# Altium PCB MatrixRE.PcbDoc (part 1 of 3) (continued)
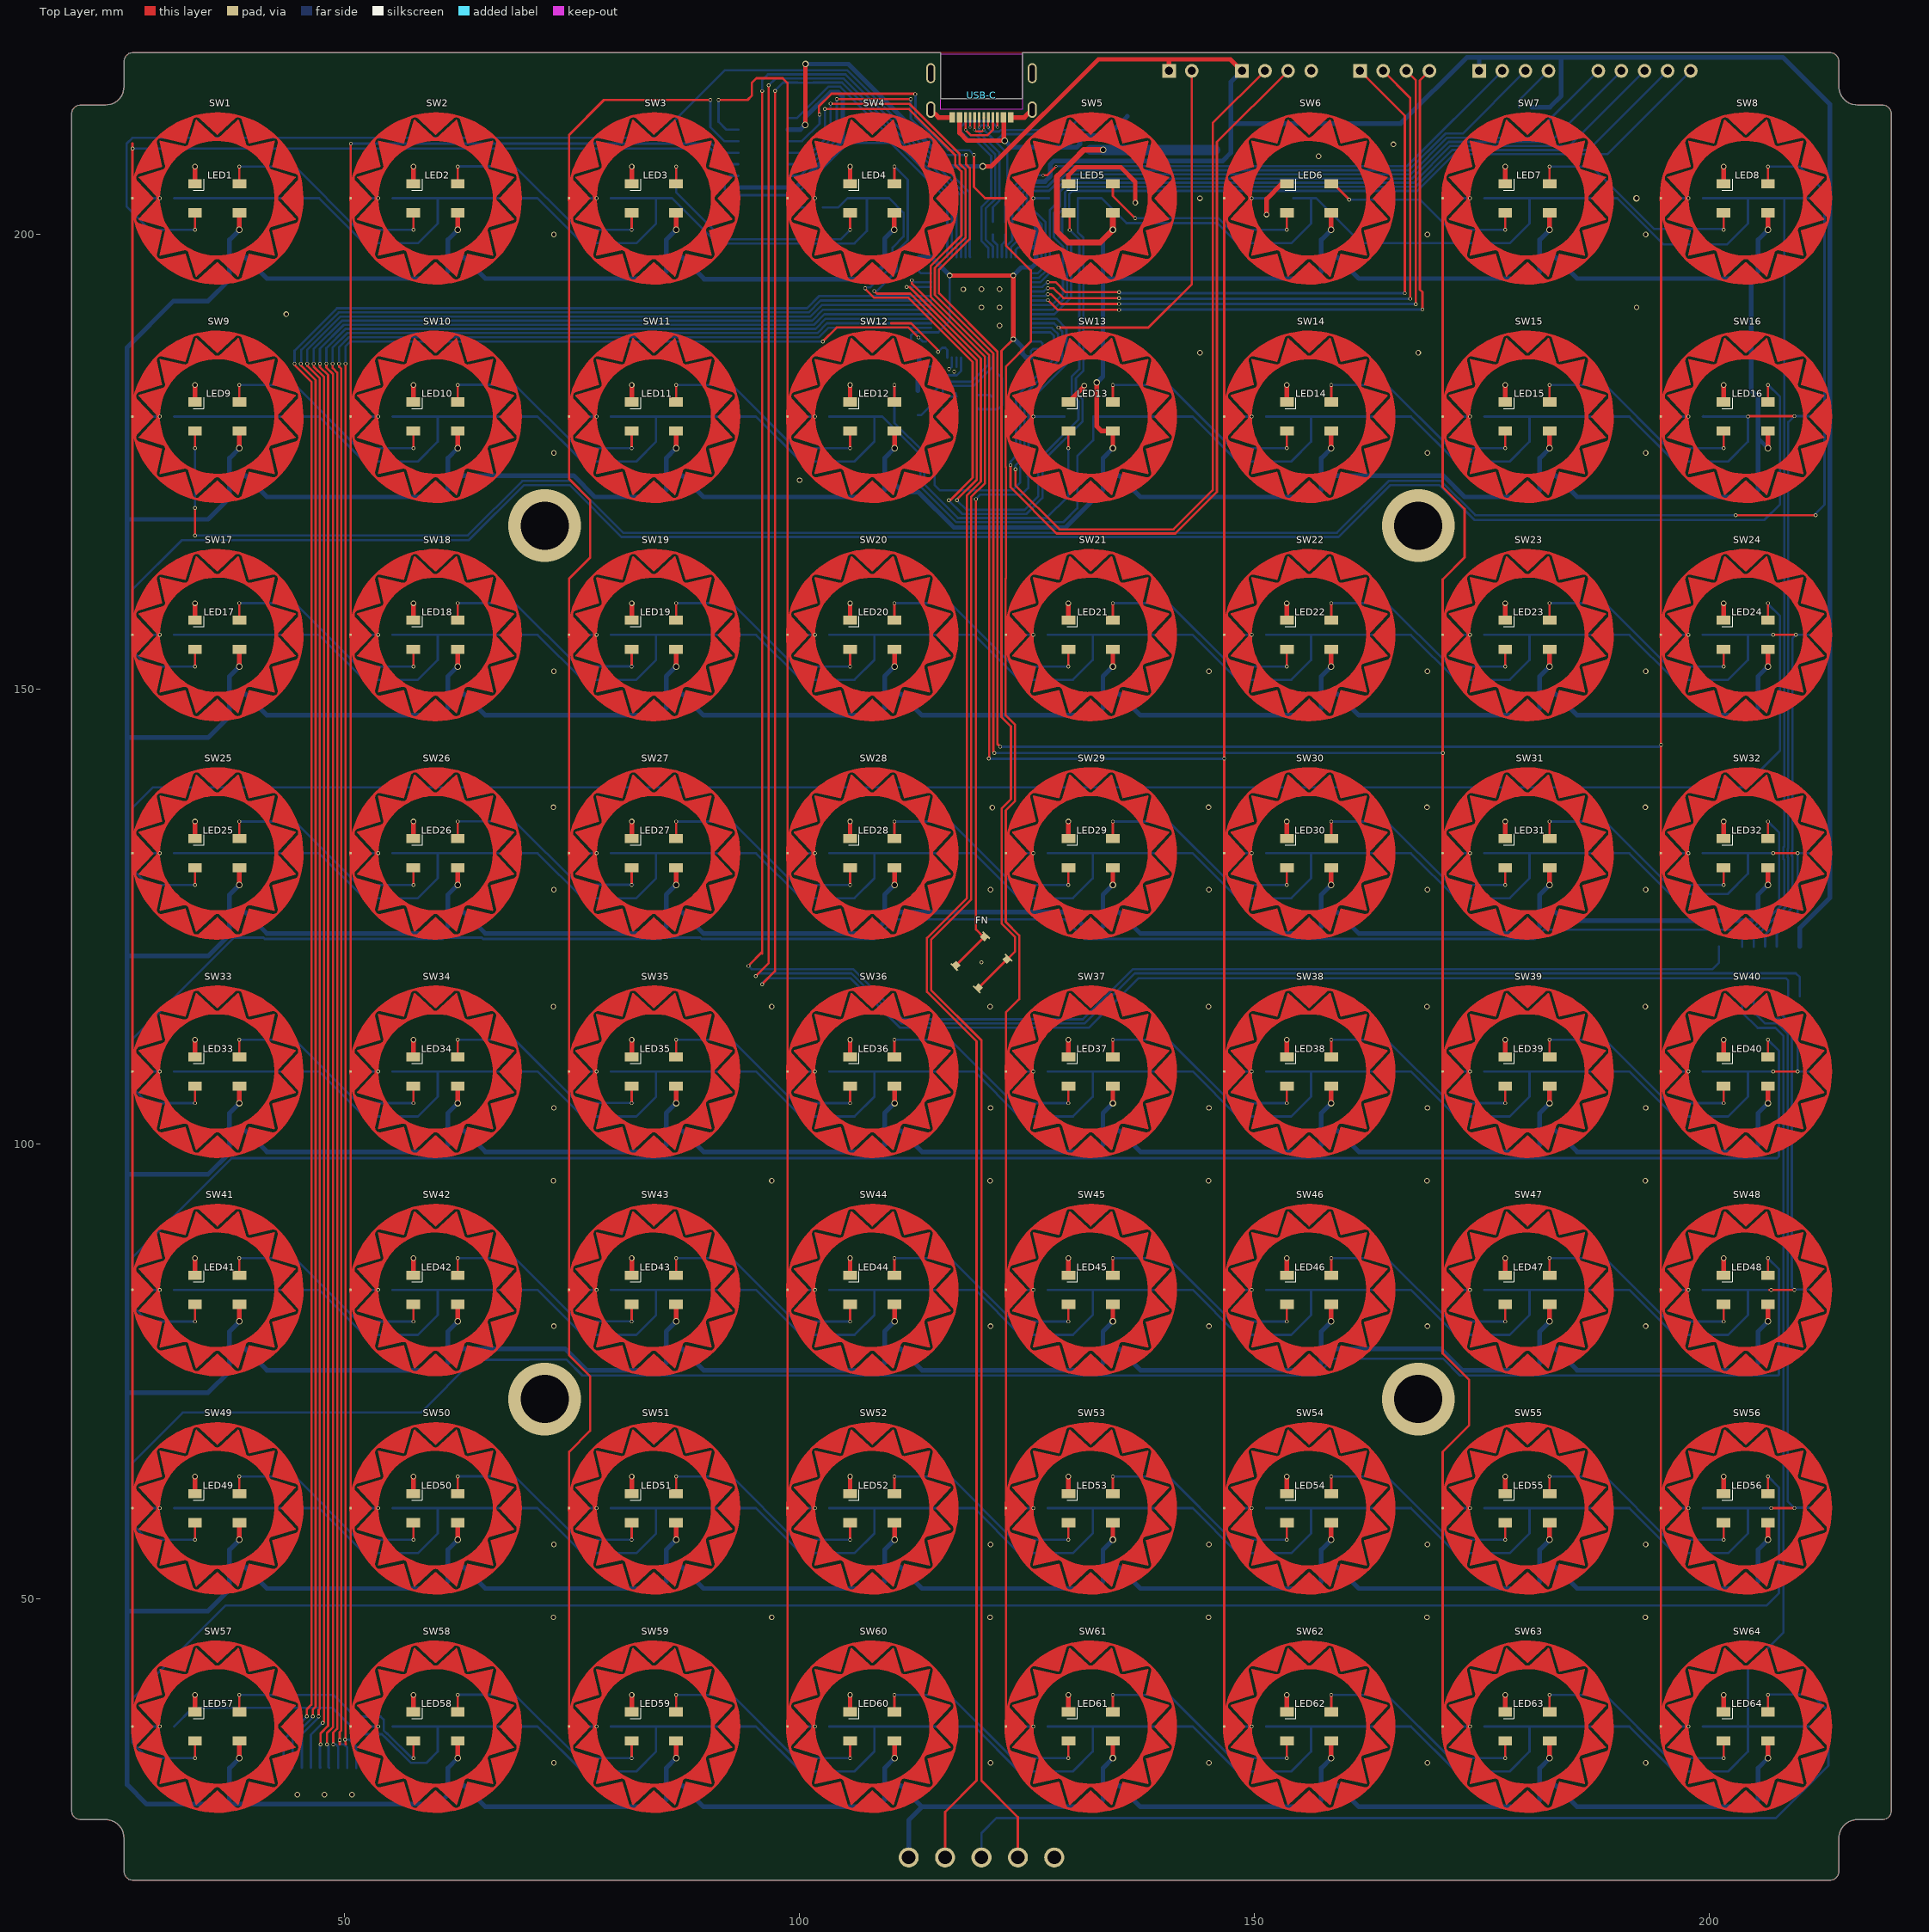
[diagram p0: Top Layer view]
## Components (designator, comment, footprint, x,y, rotation, side; value= is the part's Value field where it differs from the comment) (continued)
D22 "1N4148" SOD123 149.7,156 r0 bottom
D23 "1N4148" SOD123 173.7,156 r0 bottom
D24 "1N4148" SOD123 197.7,156 r0 bottom
D25 "1N4148" SOD123 29.7,132 r0 bottom
D26 "1N4148" SOD123 53.7,132 r0 bottom
D27 "1N4148" SOD123 77.7,132 r0 bottom
D28 "1N4148" SOD123 101.7,132 r0 bottom
D29 "1N4148" SOD123 125.7,132 r0 bottom
D30 "1N4148" SOD123 149.7,132 r0 bottom
D31 "1N4148" SOD123 173.7,132 r0 bottom
D32 "1N4148" SOD123 197.7,132 r0 bottom
D33 "1N4148" SOD123 29.7,108 r0 bottom
D34 "1N4148" SOD123 53.7,108 r0 bottom
D35 "1N4148" SOD123 77.7,108 r0 bottom
D36 "1N4148" SOD123 101.7,108 r0 bottom
D37 "1N4148" SOD123 125.7,108 r0 bottom
D38 "1N4148" SOD123 149.7,108 r0 bottom
D39 "1N4148" SOD123 173.7,108 r0 bottom
D40 "1N4148" SOD123 197.7,108 r0 bottom
D41 "1N4148" SOD123 29.7,84 r0 bottom
D42 "1N4148" SOD123 53.7,84 r0 bottom
D43 "1N4148" SOD123 77.7,84 r0 bottom
D44 "1N4148" SOD123 101.7,84 r0 bottom
D45 "1N4148" SOD123 125.7,84 r0 bottom
D46 "1N4148" SOD123 149.7,84 r0 bottom
D47 "1N4148" SOD123 173.7,84 r0 bottom
D48 "1N4148" SOD123 197.7,84 r0 bottom
D49 "1N4148" SOD123 29.7,60 r0 bottom
D50 "1N4148" SOD123 53.7,60 r0 bottom
D51 "1N4148" SOD123 77.7,60 r0 bottom
D52 "1N4148" SOD123 101.7,60 r0 bottom
D53 "1N4148" SOD123 125.7,60 r0 bottom
D54 "1N4148" SOD123 149.7,60 r0 bottom
D55 "1N4148" SOD123 173.7,60 r0 bottom
D56 "1N4148" SOD123 197.7,60 r0 bottom
D57 "1N4148" SOD123 29.7,36 r0 bottom
D58 "1N4148" SOD123 53.7,36 r0 bottom
D59 "1N4148" SOD123 77.7,36 r0 bottom
D60 "1N4148" SOD123 101.7,36 r0 bottom
D61 "1N4148" SOD123 125.7,36 r0 bottom
D62 "1N4148" SOD123 149.7,36 r0 bottom
D63 "1N4148" SOD123 173.7,36 r0 bottom
D64 "1N4148" SOD123 197.7,36 r0 bottom
FN "按键" DS4545 120,120 r45 top
I2C "SWD" HDR1X4#1 148.62,218 r0 bottom
LED1 "WS2812B" WS2812B 36,204 r180 top
LED2 "WS2812B" WS2812B 60,204 r180 top
LED3 "WS2812B" WS2812B 84,204 r180 top
LED4 "WS2812B" WS2812B 108,204 r180 top
LED5 "WS2812B" WS2812B 132,204 r180 top
LED6 "WS2812B" WS2812B 156,204 r180 top
LED7 "WS2812B" WS2812B 180,204 r180 top
LED8 "WS2812B" WS2812B 204,204 r180 top
LED9 "WS2812B" WS2812B 36,180 r180 top
LED10 "WS2812B" WS2812B 60,180 r180 top
LED11 "WS2812B" WS2812B 84,180 r180 top
LED12 "WS2812B" WS2812B 108,180 r180 top
LED13 "WS2812B" WS2812B 132,180 r180 top
LED14 "WS2812B" WS2812B 156,180 r180 top
LED15 "WS2812B" WS2812B 180,180 r180 top
LED16 "WS2812B" WS2812B 204,180 r180 top
LED17 "WS2812B" WS2812B 36,156 r180 top
LED18 "WS2812B" WS2812B 60,156 r180 top
LED19 "WS2812B" WS2812B 84,156 r180 top
LED20 "WS2812B" WS2812B 108,156 r180 top
LED21 "WS2812B" WS2812B 132,156 r180 top
LED22 "WS2812B" WS2812B 156,156 r180 top
LED23 "WS2812B" WS2812B 180,156 r180 top
LED24 "WS2812B" WS2812B 204,156 r180 top
LED25 "WS2812B" WS2812B 36,132 r180 top
LED26 "WS2812B" WS2812B 60,132 r180 top
LED27 "WS2812B" WS2812B 84,132 r180 top
LED28 "WS2812B" WS2812B 108,132 r180 top
LED29 "WS2812B" WS2812B 132,132 r180 top
LED30 "WS2812B" WS2812B 156,132 r180 top
LED31 "WS2812B" WS2812B 180,132 r180 top
LED32 "WS2812B" WS2812B 204,132 r180 top
LED33 "WS2812B" WS2812B 36,108 r180 top
LED34 "WS2812B" WS2812B 60,108 r180 top
LED35 "WS2812B" WS2812B 84,108 r180 top
LED36 "WS2812B" WS2812B 108,108 r180 top
LED37 "WS2812B" WS2812B 132,108 r180 top
LED38 "WS2812B" WS2812B 156,108 r180 top
LED39 "WS2812B" WS2812B 180,108 r180 top
LED40 "WS2812B" WS2812B 204,108 r180 top
LED41 "WS2812B" WS2812B 36,84 r180 top
LED42 "WS2812B" WS2812B 60,84 r180 top
LED43 "WS2812B" WS2812B 84,84 r180 top
LED44 "WS2812B" WS2812B 108,84 r180 top
LED45 "WS2812B" WS2812B 132,84 r180 top
LED46 "WS2812B" WS2812B 156,84 r180 top
LED47 "WS2812B" WS2812B 180,84 r180 top
LED48 "WS2812B" WS2812B 204,84 r180 top
LED49 "WS2812B" WS2812B 36,60 r180 top
LED50 "WS2812B" WS2812B 60,60 r180 top
LED51 "WS2812B" WS2812B 84,60 r180 top
LED52 "WS2812B" WS2812B 108,60 r180 top
LED53 "WS2812B" WS2812B 132,60 r180 top
LED54 "WS2812B" WS2812B 156,60 r180 top
LED55 "WS2812B" WS2812B 180,60 r180 top
LED56 "WS2812B" WS2812B 204,60 r180 top
LED57 "WS2812B" WS2812B 36,36 r180 top
LED58 "WS2812B" WS2812B 60,36 r180 top
LED59 "WS2812B" WS2812B 84,36 r180 top
LED60 "WS2812B" WS2812B 108,36 r180 top
LED61 "WS2812B" WS2812B 132,36 r180 top
LED62 "WS2812B" WS2812B 156,36 r180 top
LED63 "WS2812B" WS2812B 180,36 r180 top
LED64 "WS2812B" WS2812B 204,36 r180 top
MCU "RET6" STM-LQFP64_L 120,192 r90 bottom locked (schematic designator RET6)
PPTC "Fuse 1" C1206 130.613,209.6 r0 bottom
R1 "res" C1206 213,203.9 r0 bottom value=10K
R1 "System" c1206 113,181.5 r90 bottom value=10K
R2 "res" C1206 213,180.045 r0 bottom value=10K
R2 "Res2" C1206 126.492,173.5 r0 bottom value=10K
R3 "System" 1608[0603] 122.6,200.7 r270 bottom value=22,0603 (schematic designator R4)
R3 "res" C1206 213,156.045 r0 bottom value=10K
R4 "System" 1608[0603] 121.25,200.7 r270 bottom value=22,0603 (schematic designator R3)
R4 "res" C1206 213,132.045 r0 bottom value=10K
R5 "res" C1206 212.9,107.992 r0 bottom value=10K
R6 "res" C1206 213,84.045 r0 bottom value=10K
R7 "System" C1206 121.5,207.5 r180 bottom value=1.5K
R7 "res" C1206 213,60.045 r0 bottom value=10K
R8 "res" C1206 213,36.045 r0 bottom value=10K
R9 "Res2" C1206 113.508,173.5 r0 bottom value=10K (schematic designator R2)
SPI "Comment" HDR1X5 187.79,218 r0 bottom
SW1 "" PAD 36,204 r0 top
SW2 "" PAD 60,204 r0 top
SW3 "" PAD 84,204 r0 top
SW4 "" PAD 108,204 r0 top
SW5 "" PAD 132,204 r0 top locked
SW6 "" PAD 156,204 r0 top
SW7 "" PAD 180,204 r0 top
SW8 "" PAD 204,204 r0 top
SW9 "" PAD 36,180 r0 top
SW10 "" PAD 60,180 r0 top
SW11 "" PAD 84,180 r0 top
SW12 "" PAD 108,180 r0 top
SW13 "" PAD 132,180 r0 top
SW14 "" PAD 156,180 r0 top
SW15 "" PAD 180,180 r0 top
SW16 "" PAD 204,180 r0 top
SW17 "" PAD 36,156 r0 top
SW18 "" PAD 60,156 r0 top
SW19 "" PAD 84,156 r0 top
SW20 "" PAD 108,156 r0 top
SW21 "" PAD 132,156 r0 top
SW22 "" PAD 156,156 r0 top
SW23 "" PAD 180,156 r0 top
SW24 "" PAD 204,156 r0 top
SW25 "" PAD 36,132 r0 top
SW26 "" PAD 60,132 r0 top
SW27 "" PAD 84,132 r0 top
SW28 "" PAD 108,132 r0 top
SW29 "" PAD 132,132 r0 top
SW30 "" PAD 156,132 r0 top
SW31 "" PAD 180,132 r0 top
SW32 "" PAD 204,132 r0 top
SW33 "" PAD 36,108 r0 top
SW34 "" PAD 60,108 r0 top
SW35 "" PAD 84,108 r0 top
SW36 "" PAD 108,108 r0 top
SW37 "" PAD 132,108 r0 top
SW38 "" PAD 156,108 r0 top
SW39 "" PAD 180,108 r0 top
SW40 "" PAD 204,108 r0 top
SW41 "" PAD 36,84 r0 top
SW42 "" PAD 60,84 r0 top
SW43 "" PAD 84,84 r0 top
SW44 "" PAD 108,84 r0 top
SW45 "" PAD 132,84 r0 top
SW46 "" PAD 156,84 r0 top
SW47 "" PAD 180,84 r0 top
SW48 "" PAD 204,84 r0 top
SW49 "" PAD 36,60 r0 top
SW50 "" PAD 60,60 r0 top
SW51 "" PAD 84,60 r0 top
SW52 "" PAD 108,60 r0 top
SW53 "" PAD 132,60 r0 top
SW54 "" PAD 156,60 r0 top
SW55 "" PAD 180,60 r0 top
SW56 "" PAD 204,60 r0 top
SW57 "" PAD 36,36 r0 top
SW58 "" PAD 60,36 r0 top
SW59 "" PAD 84,36 r0 top
SW60 "" PAD 108,36 r0 top
SW61 "" PAD 132,36 r0 top
SW62 "" PAD 156,36 r0 top
SW63 "" PAD 180,36 r0 top
SW64 "" PAD 204,36 r0 top
SWD "SWD" HDR1X4#1 174.7,218 r0 bottom (schematic designator P1)
TouchBar "Comment" "10pin FPC" 56.006,29 r180 bottom
U1 "CJA1117" SOT89-3L 147.4,212.05 r180 bottom (schematic designator C1)
U2 "SN74HC164D" D0014A_N 96,209 r0 bottom
U3 "SN74HC165D" D0016A_N 205.5,119 r90 bottom (schematic designator U1)
UART4/5 "SWD" HDR1X4#1 161.61,218 r0 bottom
USB "SWD" HDR1X4#2 128.4,213 r0 bottom
USB-C "USBC 16PIN" "USBC 16PIN -1.6" 120,212.3 r0 top (schematic designator 1)
Y1 "System" 3225 118.5,181.5 r180 bottom

## Footprints (in the part's own frame and the unit in brackets; to place one, negate y for a bottom-side part, rotate by r counter-clockwise, add the part's x,y. Pads: shape width x height; smd on the part's side, far side on the other; paste and mask are expansions set on the pad)
"10pin FPC" [mm]
  rect 2.6x2.6 smd: 0(1.3,1.3) 0(15,1.3)
  rect 0.6x2.2 smd: 1(3.7,3.45) 2(4.7,3.45) 3(5.7,3.45) 4(6.7,3.45) 5(7.7,3.45) 6(8.7,3.45) 7(9.7,3.45) 8(10.7,3.45) 9(11.7,3.45) 10(12.7,3.45)
  body extent 0,-3.4 16.3,2.6, height 0.25
1608[0603] [mm] "Chip Capacitor, Body 1.6x0.8mm, IPC High Density"
  rect 0.8x0.9 smd: 1(-0.7,0) 2(0.7,0)
  body extent -0.87,-0.48 0.87,0.48, height 1.3
3225 [mm]
  rect 1.4x1.2 smd: 1(-1.1,-0.85) 2(1.1,-0.85) 3(1.1,0.85) 4(-1.1,0.85)
  silkscreen extent -1.35,-1.2 -0.15,0, body extent -1.6,-1.24 1.6,1.26, height 0.61
C1206 [mm] "Chip Capacitor, Body 3.2x1.6mm, IPC High Density"
  rect 1.1x1.7 smd: 1(-1.35,0) 2(1.35,0)
  silkscreen extent -0.4,-0.75 0.4,0.75, body extent -1.7,-0.9 1.7,0.9, height 1.3
c1206 [mm] "Chip Capacitor, Body 3.2x1.6mm, IPC High Density"
  rect 1.1x1.7 smd: 1(-1.35,0) 2(1.35,0)
  silkscreen extent -0.4,-0.75 0.4,0.75, body extent -1.7,-0.9 1.7,0.9, height 1.3
D0014A_N [mm] "SOIC, 14-Leads, Body 8.75x4mm, Pitch 1.27mm, IPC Medium Density"
  oval 1.45x0.6 smd: 1(-2.725,3.81) 2(-2.725,2.54) 3(-2.725,1.27) 4(-2.725,0) 5(-2.725,-1.27) 6(-2.725,-2.54) 7(-2.725,-3.81) 8(2.725,-3.81) 9(2.725,-2.54) 10(2.725,-1.27) 11(2.725,0) 12(2.725,1.27) 13(2.725,2.54) 14(2.725,3.81)
  silkscreen extent -2.85,-4.38 1.6,4.78, body extent -3.02,-4.32 3.02,4.32, height 1.59
D0016A_N [mm] "SOIC, 16-Leads, Body 10x4mm, Pitch 1.27mm, IPC Medium Density"
  oval 1.45x0.6 smd: 1(-2.725,4.445) 2(-2.725,3.175) 3(-2.725,1.905) 4(-2.725,0.635) 5(-2.725,-0.635) 6(-2.725,-1.905) 7(-2.725,-3.175) 8(-2.725,-4.445) 9(2.725,-4.445) 10(2.725,-3.175) 11(2.725,-1.905) 12(2.725,-0.635) 13(2.725,0.635) 14(2.725,1.905) 15(2.725,3.175) 16(2.725,4.445)
  silkscreen extent -2.85,-5 1.6,5.42, body extent -3,-4.95 3,4.95, height 1.59
DS4545 [mm]
  rect 0.2x1.1 smd: 1(-2.475,-1.75) 1(2.475,-1.75) 2(-2.475,1.75) 2(2.475,1.75)
  rect 0.55x0.7 smd: 1(-2.125,-1.75) 1(2.125,-1.75) 2(-2.125,1.75) 2(2.125,1.75)
HDR1X4#1 [mm] "Connector; Header; 4 Position"
  rect 1.5x1.5 hole 0.9: 1(0,0)
  round 1.5 hole 0.9: 2(2.54,0) 3(5.08,0) 4(7.62,0)
  silkscreen extent -1.27,-1.27 8.89,1.27
HDR1X4#2 [mm] "Connector; Header; 4 Position"
  round 1.5 smd: 1(0,0) 2(2.54,0) 3(5.08,0) 4(7.62,0)
  silkscreen extent -1.27,-1.27 8.89,1.27
HDR1X5 [mm] "Connector; Header; 5 Position"
  round 1.5 hole 0.9: 1(0,0) 2(2.54,0) 3(5.08,0) 4(7.62,0) 5(10.16,0)
  silkscreen extent -1.27,-1.27 11.43,1.27
PAD [mil]
  rrect50% 10x10 smd paste+0 mask+0: 1(-366.86,0.1)
  round 16 hole 10 paste+0 mask+0: 2(-248.03,0)
  Top Layer region: -249.04,-245.46 -248.77,-246.83 -247.99,-247.99 -246.83,-248.77 -245.46,-249.04 -245.46,-249.04 -143.47,-225.47 -135.04,-225.46 -127.74,-229.67 -123.53,-236.97 -123.53,-236.97 -92.95,-337.08 -92.03,-338.13 -90.78,-338.76 -89.38,-338.85 -88.06,-338.41 -88.06,-338.41 0,-256.25 0,-248.01 -109.09,-222.73 -195.94,-152.04 -242.84,-50.36 -240.24,61.58 -188.66,160.98 -98.63,227.55 11.52,247.74 11.52,247.74 11.52,266.99 6.23,263.46 0,262.22 -6.23,263.46 -11.51,266.99 -11.51,266.99 -88.06,338.4 -89.38,338.85 -90.77,338.76 -92.03,338.14 -92.95,337.09 -92.95,337.09 -123.53,236.98 -126.33,231.28 -131.11,227.09 -137.13,225.05 -143.46,225.46 -143.46,225.46 -245.46,249.04 -246.83,248.77 -247.99,247.99 -248.77,246.82 -249.04,245.45 -249.04,245.45 -225.46,143.47 -225.04,137.13 -227.08,131.11 -231.27,126.34 -236.97,123.52 -236.97,123.52 -337.09,92.95 -338.14,92.03 -338.76,90.77 -338.85,89.38 -338.4,88.06 -338.4,88.06 -266.99,11.52 -263.46,6.23 -262.22,0 -263.46,-6.23 -266.99,-11.52 -266.99,-11.52 -338.4,-88.04 -338.85,-89.37 -338.76,-90.76 -338.15,-92.02 -337.09,-92.94 -337.09,-92.94 -236.98,-123.53 -231.28,-126.33 -227.09,-131.11 -225.05,-137.12 -225.46,-143.46 -225.46,-143.46
  Top Layer region: -78.29,362.9 -78.29,347.46 -85.77,350 -93.65,349.48 -100.74,345.99 -105.95,340.04 -105.95,340.05 -136.53,239.92 -137.03,238.92 -137.88,238.18 -138.94,237.82 -140.06,237.9 -140.06,237.9 -242.05,261.47 -249.8,259.93 -256.36,255.55 -260.75,248.98 -262.29,241.24 -262.29,241.24 -238.72,139.23 -238.65,138.11 -239.01,137.05 -239.75,136.21 -240.75,135.71 -240.75,135.71 -340.85,105.13 -346.79,99.92 -350.29,92.84 -350.81,84.95 -348.27,77.47 -348.27,77.47 -276.86,0.93 -276.23,0 -276.01,-1.1 -276.23,-2.21 -276.86,-3.14 -276.86,-3.14 -348.27,-79.68 -350.81,-87.16 -350.29,-95.04 -346.8,-102.12 -340.86,-107.33 -340.86,-107.33 -240.75,-137.91 -239.74,-138.41 -239,-139.25 -238.64,-140.32 -238.72,-141.44 -238.72,-141.44 -262.29,-243.43 -260.75,-251.18 -256.37,-257.75 -249.8,-262.14 -242.05,-263.68 -242.05,-263.68 -140.06,-240.1 -138.94,-240.03 -137.87,-240.39 -137.03,-241.13 -136.53,-242.14 -136.53,-242.14 -105.95,-342.25 -100.74,-348.19 -93.65,-351.69 -85.77,-352.2 -78.29,-349.67 -78.29,-349.67 -1.76,-278.25 -0.82,-277.63 0.28,-277.41 1.39,-277.63 2.32,-278.25 2.32,-278.25 92.09,-362 -75.49,-365.71 -227.72,-295.53 -333.75,-165.71 -372.11,-2.53 -335.01,160.93 -229.98,291.57 -78.29,362.9
  Top Layer region: 78.86,-365.11 78.86,-349.67 88.99,-352.38 99.11,-349.67 106.52,-342.25 106.52,-342.25 137.1,-242.13 137.6,-241.12 138.45,-240.39 139.51,-240.03 140.63,-240.11 140.63,-240.11 242.63,-263.68 250.37,-262.14 256.94,-257.75 261.32,-251.19 262.86,-243.44 262.86,-243.44 239.29,-141.43 239.22,-140.32 239.58,-139.26 240.32,-138.41 241.32,-137.92 241.32,-137.92 341.42,-107.34 348.83,-99.93 351.55,-89.8 348.84,-79.68 348.84,-79.68 277.43,-3.14 276.68,-1.85 276.68,-0.36 277.43,0.93 277.43,0.93 348.84,77.47 351.38,84.95 350.86,92.83 347.37,99.91 341.43,105.12 341.44,105.12 241.32,135.7 240.32,136.2 239.57,137.05 239.21,138.11 239.29,139.23 239.29,139.23 262.86,241.22 261.32,248.97 256.94,255.54 250.37,259.93 242.63,261.47 242.63,261.47 140.63,237.89 139.51,237.82 138.44,238.18 137.6,238.92 137.1,239.93 137.1,239.93 106.52,340.05 101.31,345.99 94.22,349.48 86.34,350 78.86,347.46 78.86,347.46 2.33,276.05 1.39,275.42 0.29,275.2 -0.82,275.42 -1.75,276.05 -1.75,276.05 -91.52,359.8 76.07,363.5 228.29,293.33 334.32,163.5 372.68,0.33 335.58,-163.14 230.55,-293.78 78.86,-365.11
  Top Layer region: 11.52,-267 88.04,-338.41 89.8,-338.92 91.58,-338.49 92.9,-337.22 92.9,-337.22 123.53,-236.97 126.34,-231.27 131.12,-227.08 137.14,-225.05 143.48,-225.47 143.48,-225.47 245.46,-249.04 246.83,-248.77 247.99,-247.99 248.77,-246.83 249.04,-245.46 249.04,-245.46 225.47,-143.46 225.47,-135.03 229.68,-127.74 236.98,-123.52 236.98,-123.52 337.08,-92.94 338.13,-92.02 338.75,-90.76 338.84,-89.37 338.4,-88.04 338.4,-88.04 267,-11.52 262.78,-4.21 262.78,4.22 267,11.52 267,11.52 338.41,88.06 338.86,89.38 338.76,90.78 338.15,92.03 337.09,92.95 337.09,92.95 236.97,123.53 229.67,127.74 225.46,135.04 225.47,143.47 225.47,143.47 249.04,245.46 248.77,246.83 247.99,247.99 246.83,248.77 245.46,249.04 245.46,249.04 143.46,225.46 137.12,225.05 131.11,227.09 126.33,231.28 123.53,236.98 123.53,236.98 92.94,337.1 92.02,338.15 90.76,338.76 89.37,338.85 88.04,338.4 88.04,338.4 0,256.24 0,248.01 109.09,222.73 195.93,152.04 242.84,50.36 240.24,-61.58 188.66,-160.98 98.62,-227.55 -11.52,-247.74 -11.52,-247.74 -11.52,-267 -6.23,-263.47 0,-262.23 6.23,-263.47 11.52,-267
SOD123 [mm]
  rect 0.9x0.95 smd: 1(-1.575,0) 2(1.575,0)
  silkscreen extent -1.95,0.77 -1.85,0.87, body extent -1.43,-0.85 1.42,0.85, height 1.35
SOD323 [mm]
  rect 0.65x1.35 smd: 1(-1.2,0) 2(1.2,0)
  body extent -0.9,-0.7 0.9,0.7, height 0.8
SOT89-3L [mm]
  rect 0.9x1.4 smd: 1(-1.5,-2.6) 2(0,-2.6) 3(1.5,-2.6)
  rect 2.6x1.8 smd: 2(0,0.2)
  silkscreen extent 0,0 0,0, body extent -2.3,-1.6 2.3,1, height 1
STM-LQFP64_L [mm] "Thin QFP, 64-Leads, Body 10x10mm, Pitch 0.5mm, IPC High Density"
  oval 1.55x0.25 smd: 1(-5.525,3.75) 2(-5.525,3.25) 3(-5.525,2.75) 4(-5.525,2.25) 5(-5.525,1.75) 6(-5.525,1.25) 7(-5.525,0.75) 8(-5.525,0.25) 9(-5.525,-0.25) 10(-5.525,-0.75) 11(-5.525,-1.25) 12(-5.525,-1.75) 13(-5.525,-2.25) 14(-5.525,-2.75) 15(-5.525,-3.25) 16(-5.525,-3.75) 33(5.525,-3.75) 34(5.525,-3.25) 35(5.525,-2.75) 36(5.525,-2.25) 37(5.525,-1.75) 38(5.525,-1.25) 39(5.525,-0.75) 40(5.525,-0.25) 41(5.525,0.25) 42(5.525,0.75) 43(5.525,1.25) 44(5.525,1.75) 45(5.525,2.25) 46(5.525,2.75) 47(5.525,3.25) 48(5.525,3.75)
  oval 0.25x1.55 smd: 17(-3.75,-5.525) 18(-3.25,-5.525) 19(-2.75,-5.525) 20(-2.25,-5.525) 21(-1.75,-5.525) 22(-1.25,-5.525) 23(-0.75,-5.525) 24(-0.25,-5.525) 25(0.25,-5.525) 26(0.75,-5.525) 27(1.25,-5.525) 28(1.75,-5.525) 29(2.25,-5.525) 30(2.75,-5.525) 31(3.25,-5.525) 32(3.75,-5.525) 49(3.75,5.525) 50(3.25,5.525) 51(2.75,5.525) 52(2.25,5.525) 53(1.75,5.525) 54(1.25,5.525) 55(0.75,5.525) 56(0.25,5.525) 57(-0.25,5.525) 58(-0.75,5.525) 59(-1.25,5.525) 60(-1.75,5.525) 61(-2.25,5.525) 62(-2.75,5.525) 63(-3.25,5.525) 64(-3.75,5.525)
  silkscreen extent -5.65,-4.35 4.35,4.55, body extent -5,-5 5,5, height 1.6
"USBC 16PIN -1.6" [mm]
  oval 1x1.8 hole 0.6 slot 1.4 at 90 deg paste+0 mask+0: 0(-5.575,1.44) 0(5.575,1.44)
  oval 1x2.2 hole 0.6 slot 1.8 at 90 deg paste+0 mask+0: 0(-5.575,5.44) 0(5.575,5.44)
  rect 0.6x1.15 smd: A1(3.2,0.575) A4(2.4,0.575) A9(-2.4,0.575) A12(-3.2,0.575)
  rect 0.3x1.15 smd: A5(1.25,0.575) A6(0.25,0.575) A7(-0.25,0.575) A8(-1.25,0.575) B5(-1.75,0.575) B6(-0.75,0.575) B7(0.75,0.575) B8(1.75,0.575)
  Keep-Out Layer board cut-out: -4.5,1.45 -4.5,7.55 4.5,7.55 4.5,1.45
WS2812B [mil] "3535"
  rect 59.1x39.4 smd: 1(-96,63) 2(-96,-63) 3(96,-63) 4(96,63)
  silkscreen extent 57,-83 103,-35, body extent -105,-97 105,97, height 59

## Part data
3 D1: library part TVS
C1 C2 C3 C4 C5 C6 C8 C9 C10 C11 C13 C65: library part Cap, LatestRevisionDate=17-Jul-2002, LatestRevisionNote="Re-released for DXP Platform.", PackageDescription="Radial Cap, Thru-Hole; 2 Leads; 0.3 in Pin Spacing", PackageReference=RAD-0.3, Published=8-Jun-2000, Publisher="Altium Limited"
C1 C2 C3 C4 C5 C6 C7 C8 C9 C10 C11 C12 C13 C14 C15 C16 C17 C18 C19 C20 C21 C22 C23 C24 C25 C26 C27 C28 C29 C30 C31 C32 C33 C34 C35 C36 C37 C38 C39 C40 C41 C42 C43 C44 C45 C46 C47 C48 C49 C50 C51 C52 C53 C54 C55 C56 C57 C58 C59 C60 C61 C62 C63 C64: "Capacitor (Semiconductor SIM Model)", LatestRevisionDate=29-May-2009, LatestRevisionNote="IPC-7351 Footprint Added.", PackageDescription="Chip Capacitor", PackageReference=C1206, Published=8-Jun-2000, Publisher="Altium Limited"
FN: library part SW, "System"
I2C SWD UART4/5 USB: library part "Header 4", "System", LatestRevisionDate=17-Jul-2002, LatestRevisionNote="Re-released for DXP Platform.", Publisher="Altium Limited"
LED1 LED2 LED3 LED4 LED5 LED6 LED7 LED8 LED9 LED10 LED11 LED12 LED13 LED14 LED15 LED16 LED17 LED18 LED19 LED20 LED21 LED22 LED23 LED24 LED25 LED26 LED27 LED28 LED29 LED30 LED31 LED32 LED33 LED34 LED35 LED36 LED37 LED38 LED39 LED40 LED41 LED42 LED43 LED44 LED45 LED46 LED47 LED48 LED49 LED50 LED51 LED52 LED53 LED54 LED55 LED56 LED57 LED58 LED59 LED60 LED61 LED62 LED63 LED64: "3535"
PPTC: "Fuse", LatestRevisionDate=17-Jul-2002, LatestRevisionNote="Re-released for DXP Platform.", PackageDescription="Thru-Hole; 2 Leads", PackageReference=PIN-W2/E2.8, Published=8-Jun-2000, Publisher="Altium Limited"
R1 R2 R3 R4 R5 R6 R7 R8: library part Res3, "Resistor", LatestRevisionDate=29-May-2009, LatestRevisionNote="IPC-7351 Footprint Added.", PackageDescription="Chip Resistor", PackageReference=J1-0603, Published=8-Jun-2000, Publisher="Altium Limited"
R1 R3 R4 R7: library part Res2, LatestRevisionDate=17-Jul-2002, LatestRevisionNote="Re-released for DXP Platform.", PackageDescription="Axial Device, Thru-Hole; 2 Leads; 0.4 in Pin Spacing", PackageReference=AXIAL-0.4, Published=8-Jun-2000, Publisher="Altium Limited"
R2 R9 USB-C: "System"
  R2 R9: LatestRevisionDate=17-Jul-2002, LatestRevisionNote="Re-released for DXP Platform.", PackageDescription="Axial Device, Thru-Hole; 2 Leads; 0.4 in Pin Spacing", PackageReference=AXIAL-0.4, Published=8-Jun-2000, Publisher="Altium Limited"
SW1 SW2 SW3 SW4 SW5 SW6 SW7 SW8 SW9 SW10 SW11 SW12 SW13 SW14 SW15 SW16 SW17 SW18 SW19 SW20 SW21 SW22 SW23 SW24 SW25 SW26 SW27 SW28 SW29 SW30 SW31 SW32 SW33 SW34 SW35 SW36 SW37 SW38 SW39 SW40 SW41 SW42 SW43 SW44 SW45 SW46 SW47 SW48 SW49 SW50 SW51 SW52 SW53 SW54 SW55 SW56 SW57 SW58 SW59 SW60 SW61 SW62 SW63 SW64: library part SW
U2: "8-Bit Parallel-Out Serial Shift Registers, D0014A, TUBE", F @ Nom Voltage(Max)(Mhz)=28, Generic Part Number=SN74HC164, ICC @ Nom Voltage(Max)(mA)=0.08, Manufacturer="Texas Instruments", Operating Temperature Range(C)="-40 to 125", Rating=Catalog, tpd @ Nom Voltage(Max)(ns)=38, Voltage(Nom)(V)=6, 3-State Output=No, Bits=8, Code_JEDEC=MS-012, ComponentLink1Description="Manufacturer URL", ComponentLink1URL=http://www.ti.com/, ComponentLink2Description=Datasheet, ComponentLink2URL=http://www.ti.com/lit/ds/symlink/sn74hc164.pdf, ComponentLink3Description="Package Specification", ComponentLink3URL=http://www.ti.com/lit/ml/mpds177g/mpds177g.pdf, DatasheetVersion=SCLS115F, Input Type=CMOS, Output Drive (IOL/IOH)(Max)(mA)=5.2/-5.2, Output Type=CMOS, PackageReference=D0014A, PartNumber=SN74HC164D, Technology Family=HC, VCC(Max)(V)=6, VCC(Min)(V)=2
U3: "8-Bit Parallel-Load Shift Registers, D0016A, TUBE", F @ Nom Voltage(Max)(Mhz)=28, Generic Part Number=SN74HC165, ICC @ Nom Voltage(Max)(mA)=0.08, Manufacturer="Texas Instruments", Operating Temperature Range(C)="-40 to 125", Rating=Catalog, tpd @ Nom Voltage(Max)(ns)=38, Voltage(Nom)(V)=6, 3-State Output=No, Bits=8, Code_JEDEC="MS-012 variation AC", ComponentLink1Description="Manufacturer URL", ComponentLink1URL=http://www.ti.com/, ComponentLink2Description=Datasheet, ComponentLink2URL=http://www.ti.com/lit/ds/symlink/sn74hc165.pdf, ComponentLink3Description="Package Specification", ComponentLink3URL=http://www.ti.com/lit/ml/mpds178g/mpds178g.pdf, DatasheetVersion=SCLS116G, Input Type=CMOS, Output Drive (IOL/IOH)(Max)(mA)=5.2/-5.2, Output Type=CMOS, PackageReference=D0016A, PartNumber=SN74HC165D, Technology Family=HC, VCC(Max)(V)=6, VCC(Min)(V)=2
Y1: library part 3225Crystal

## Free pads (board coordinates)
  round 0 smd far side paste+0 mask+0: 1(109.27,118.73)
  round 2.2 hole 1.5: 1(128,21.6) 2(124,21.6) 3(120,21.6) 4(116,21.6) 5(112,21.6)
  rect 1.5x1.5 hole 0.9: 1(140.62,218)
  round 1.5 hole 0.9: 2(143.12,218)

## Via types
v1: diameter 0.406, hole 0.254, Top Layer to Bottom Layer, tented both sides, 214 vias
v2: diameter 0.61, hole 0.406, Top Layer to Bottom Layer, tented both sides, 142 vias
v3: diameter 0.711, hole 0.508, Top Layer to Bottom Layer, tented both sides, 71 vias
v4: diameter 0.305, hole 0.203, Top Layer to Bottom Layer, tented both sides, 9 vias
v5: diameter 8, hole 5.3, Top Layer to Bottom Layer, 4 vias

## Nets (pads, with @x,y where several pads share a name; then routed paths per layer and width w, separated by ;. In a path a pad name is that pad's centre, name@x,y a point inside that pad or via, vN(x,y) a via of type N, cw(c..) or ccw(c..) an arc to the next point about the centre after c; other vN are vias at no path point)
+3.3: 3.2 C1.2@124.553,198.585 C2.2@113.15,197.5 C3.2@125.43,186.5 C4.2@113.15,185.5 C10.2@151.05,212.182 C11.2@153.05,212.192 C13.2@113.15,186.8 C65.1 FN.1 I2C.1 MCU.13 MCU.19 MCU.32 MCU.48 MCU.64 pad.1@140.62,218 R1.2@113,182.85 R7.2@120.15,207.5 SWD.1 U1.2 U2.1 U2.9 U2.14 U3.16 | length 443.6
  Top Layer w0.254: FN.1@119.735,117.26 FN.1@122.74,120.265 FN.1@122.988,120.513 123.696,121.221 123.696,122.77 122.211,124.255 122.211,136.891 123.246,137.926 123.246,145.932 122.206,146.972 122.206,187.206 v2(123.5,188.5)
  Top Layer w0.508: v3(100.62,212.07) 100.65,212.1 v3(100.65,218.75) ; v2(116.5,195.5) v2(123.5,195.5) v2(123.5,188.5) ; v3@120.11,207.5 v3(120.15,207.5) 121.084,207.5 132.854,219.27 140.65,219.27 ; pad.1@140.62,218 140.62,219.24 140.65,219.27 ; I2C.1@148.62,218 147.35,219.27 140.65,219.27
  Bottom Layer w0.254: C4.2@113.15,185.5 114.79,185.5 115.75,184.54 117.28,184.54 117.75,185.01 MCU.13@117.75,186.475 ; C13.2@113.15,186.6 C13.2@113.15,186.8 113.15,187.41 112.26,188.3 112.26,188.92 112.59,189.25 MCU.19@114.475,189.25 115.264,189.25 116.5,190.486 v2(116.5,195.5) ; C2.2@113.15,197.5 113.15,195.94 113.34,195.75 MCU.32@114.475,195.75 ; MCU.48@123.75,197.525 123.75,198.33 124.005,198.585 C1.2@124.553,198.585 ; C3.2@125.425,186.505 125.425,187.165 125.7,187.44 126.49,187.44 126.7,187.65 126.7,188.04 126.49,188.25 MCU.64@125.525,188.25
  Bottom Layer w0.508: U2.1@93.275,205.19 U2.14@98.725,205.19 99.613,205.19 104.757,210.334 104.757,215.172 104.256,215.673 103.42,215.673 100.62,212.873 v3(100.62,212.07) 100.09,211.54 U2.9@98.725,211.54 ; v3(100.65,218.75) 105.39,218.75 116.64,207.5 v3(120.15,207.5) ; R1.2@113,182.85 113,185.35 C4.2@113.15,185.5 C13.2@113.15,186.6 ; C2.2@113.15,197.5 114.54,197.5 116.5,195.54 v2(116.5,195.5) ; v2(123.5,188.5) 123.6,188.5 124.5,187.6 124.5,186.89 124.885,186.505 125.425,186.505 C3.2@125.43,186.5 ; v2(123.5,195.5) 124.39,196.39 125.53,196.39 126.014,196.874 126.014,200.922 123.958,202.978 123.958,204.869 124.926,205.837 126.993,205.837 127.57,206.414 127.57,207.728 127.949,208.107 146.52,208.107 147.4,208.987 U1.2@147.4,209.45 ; C1.2@124.553,198.585 125.775,198.585 ; U1.2@147.4,209.5 U1.2@147.4,212.206 ; I2C.1@148.62,218 147.4,216.78 U1.2@147.4,212.25 U1.2@147.4,212.206 ; SWD.1@174.7,218 174.7,219.474 ; 177.62,219.474 177.639,219.494 ; C65.1@180.48,214 182.47,214 183.72,215.25 183.72,219.42 ; U3.16@209.945,121.725 209.945,123.791 213.231,127.076 213.231,214.334 208.071,219.494 177.639,219.494 ; U1.2@147.4,212.206 166.074,212.206 173.361,219.494 177.639,219.494